# KiCad board EOutside.kicad_pcb (continued)
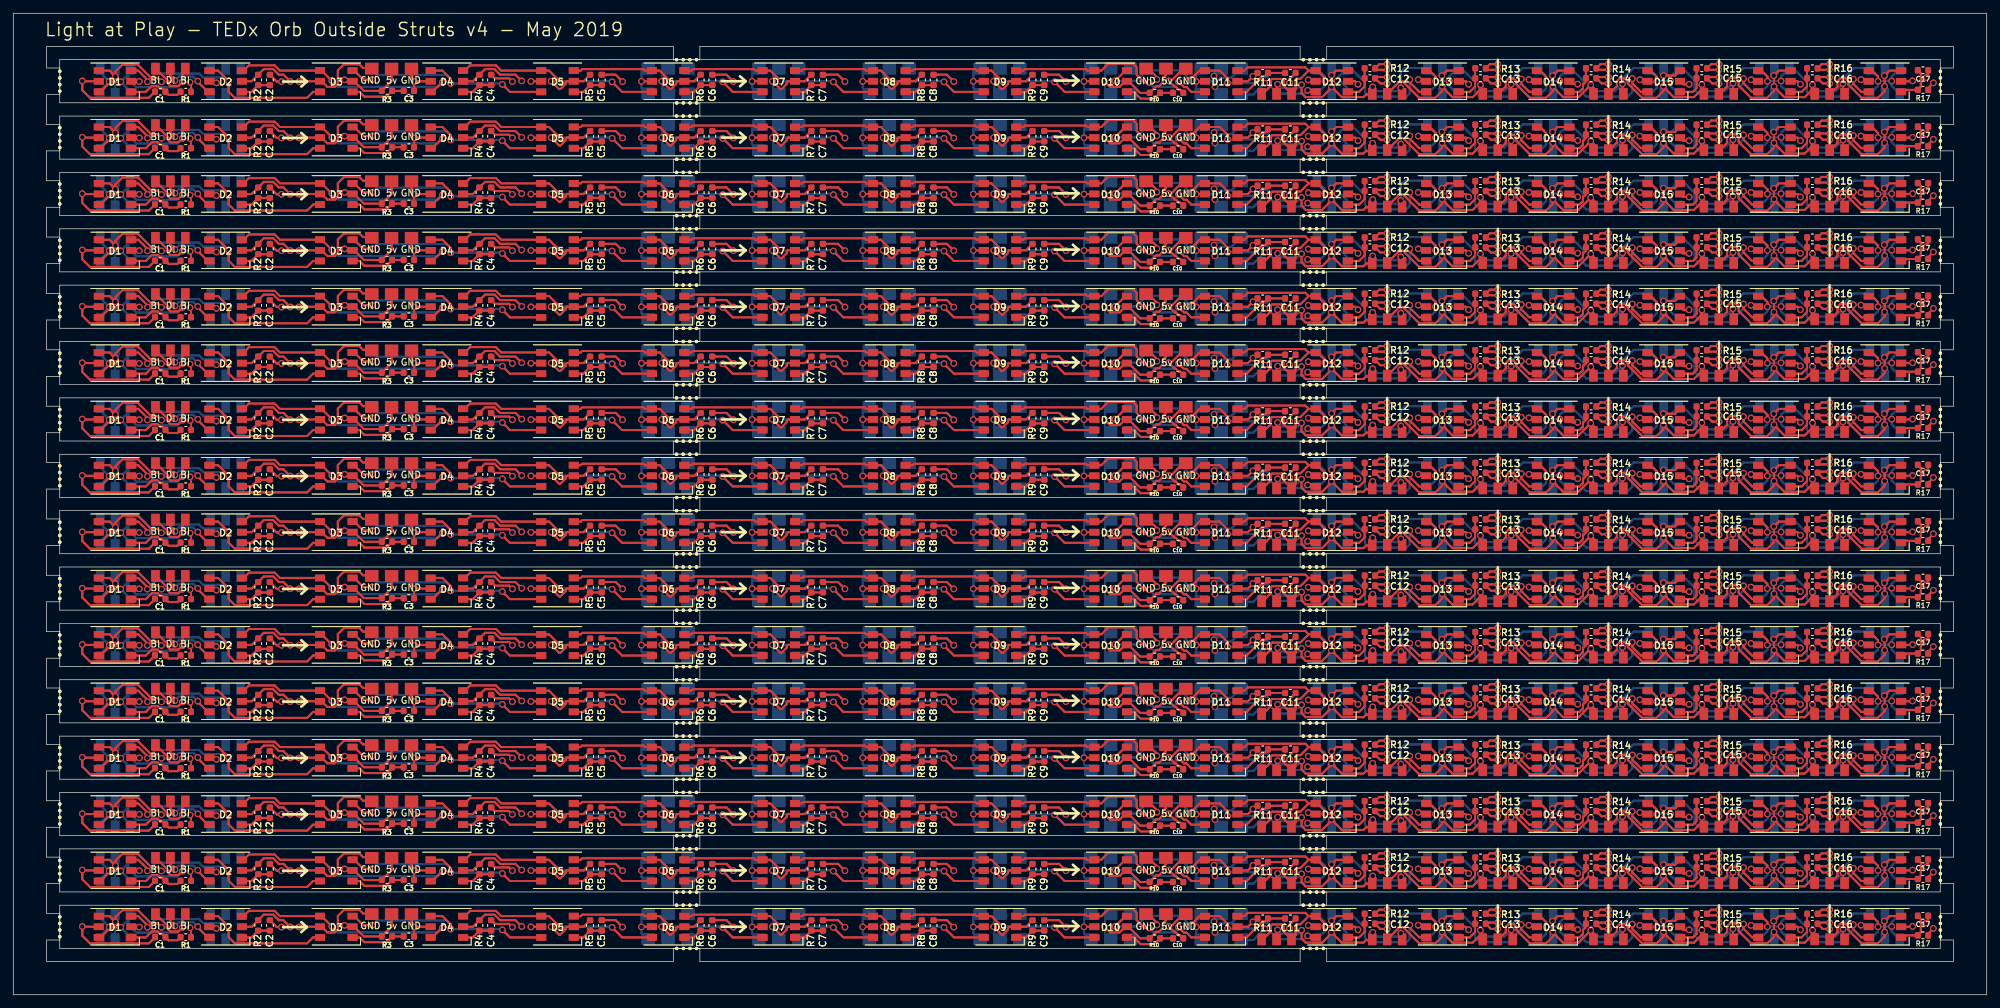
[diagram p0: board, top side]
## Routing (per net, layer and track width the routed paths; a pad name or vN(x,y) marks a point on that pad's centre or on a via; arc(x,y) is an arc through that point) (continued)
Net-(D2-Pad3): length 1106.3
  Top w0.3: 34.7,130.85 D2#2.3 34.7,130.85 ; 34.7,130.85 35.5,131.65 ; 34.7,130.85 35.5,131.65 ; 35.5,131.65 39.37,131.65 ; 35.5,131.65 39.37,131.65 ; 40.17,130.85 39.37,131.65 ; 40.17,130.85 D3#2.4 ; 40.17,130.85 39.37,131.65 ; 40.17,130.85 D3#2.4 ; D3#2.4 46.45,130.85 ; D3#2.4 46.45,130.85 ; 46.45,130.85 v1(48,129.3) 46.45,130.85 ; 63.13,127.65 64.59,129.11 ; 63.13,127.65 D4#2.6 63.13,127.65 ; 63.13,127.65 64.59,129.11 ; 64.59,129.11 v1(64.67,129.11) 64.59,129.11 ; 34.7,122.35 D2#3.3 34.7,122.35 ; 34.7,122.35 35.5,123.15 ; 34.7,122.35 35.5,123.15 ; 35.5,123.15 39.37,123.15 ; 35.5,123.15 39.37,123.15 ; 40.17,122.35 39.37,123.15 ; 40.17,122.35 D3#3.4 ; 40.17,122.35 39.37,123.15 ; 40.17,122.35 D3#3.4 ; D3#3.4 46.45,122.35 ; D3#3.4 46.45,122.35 ; 46.45,122.35 v1(48,120.8) 46.45,122.35 ; 63.13,119.15 64.59,120.61 ; 63.13,119.15 D4#3.6 63.13,119.15 ; 63.13,119.15 64.59,120.61 ; 64.59,120.61 v1(64.67,120.61) 64.59,120.61 ; 34.7,113.85 D2#4.3 34.7,113.85 ; 34.7,113.85 35.5,114.65 ; 34.7,113.85 35.5,114.65 ; 35.5,114.65 39.37,114.65 ; 35.5,114.65 39.37,114.65 ; 40.17,113.85 39.37,114.65 ; 40.17,113.85 D3#4.4 ; 40.17,113.85 39.37,114.65 ; 40.17,113.85 D3#4.4 ; D3#4.4 46.45,113.85 ; D3#4.4 46.45,113.85 ; 63.13,110.65 D4#4.6 63.13,110.65 ; 63.13,110.65 64.59,112.11 ; 63.13,110.65 64.59,112.11 ; 64.59,112.11 v1(64.67,112.11) 64.59,112.11 ; 46.45,113.85 v1(48,112.3) 46.45,113.85 ; 34.7,139.35 D2.3 34.7,139.35 ; 34.7,139.35 35.5,140.15 ; 34.7,139.35 35.5,140.15 ; 35.5,140.15 39.37,140.15 ; 35.5,140.15 39.37,140.15 ; 40.17,139.35 39.37,140.15 ; 40.17,139.35 D3.4 ; 40.17,139.35 39.37,140.15 ; 40.17,139.35 D3.4 ; D3.4 46.45,139.35 ; D3.4 46.45,139.35 ; 46.45,139.35 v1(48,137.8) 46.45,139.35 ; 63.13,136.15 64.59,137.61 ; 63.13,136.15 D4.6 63.13,136.15 ; 63.13,136.15 64.59,137.61 ; 64.59,137.61 v1(64.67,137.61) 64.59,137.61 ; 34.7,105.35 D2#12.3 34.7,105.35 ; 34.7,105.35 35.5,106.15 ; 34.7,105.35 35.5,106.15 ; 35.5,106.15 39.37,106.15 ; 35.5,106.15 39.37,106.15 ; 40.17,105.35 39.37,106.15 ; 40.17,105.35 D3#11.4 ; 40.17,105.35 39.37,106.15 ; 40.17,105.35 D3#11.4 ; D3#11.4 46.45,105.35 ; D3#11.4 46.45,105.35 ; 46.45,105.35 v1(48,103.8) 46.45,105.35 ; 63.13,102.15 64.59,103.61 ; 63.13,102.15 D4#10.6 63.13,102.15 ; 63.13,102.15 64.59,103.61 ; 64.59,103.61 v1(64.67,103.61) 64.59,103.61 ; 34.7,96.85 D2#14.3 34.7,96.85 ; 34.7,96.85 35.5,97.65 ; 34.7,96.85 35.5,97.65 ; 35.5,97.65 39.37,97.65 ; 35.5,97.65 39.37,97.65 ; 40.17,96.85 39.37,97.65 ; 40.17,96.85 D3#13.4 ; 40.17,96.85 39.37,97.65 ; 40.17,96.85 D3#13.4 ; D3#13.4 46.45,96.85 ; D3#13.4 46.45,96.85 ; 63.13,93.65 D4#11.6 63.13,93.65 ; 63.13,93.65 64.59,95.11 ; 63.13,93.65 64.59,95.11 ; 64.59,95.11 v1(64.67,95.11) 64.59,95.11 ; 46.45,96.85 v1(48,95.3) 46.45,96.85 ; 34.7,79.85 D2#11.3 34.7,79.85 ; 34.7,79.85 35.5,80.65 ; 34.7,79.85 35.5,80.65 ; 35.5,80.65 39.37,80.65 ; 35.5,80.65 39.37,80.65 ; 40.17,79.85 39.37,80.65 ; 40.17,79.85 D3#10.4 ; 40.17,79.85 39.37,80.65 ; 40.17,79.85 D3#10.4 ; D3#10.4 46.45,79.85 ; D3#10.4 46.45,79.85 ; 63.13,76.65 D4#14.6 63.13,76.65 ; 63.13,76.65 64.59,78.11 ; 63.13,76.65 64.59,78.11 ; 64.59,78.11 v1(64.67,78.11) 64.59,78.11 ; 46.45,79.85 v1(48,78.3) 46.45,79.85 ; 34.7,88.35 D2#9.3 34.7,88.35 ; 34.7,88.35 35.5,89.15 ; 34.7,88.35 35.5,89.15 ; 35.5,89.15 39.37,89.15 ; 35.5,89.15 39.37,89.15 ; 40.17,88.35 39.37,89.15 ; 40.17,88.35 D3#9.4 ; 40.17,88.35 39.37,89.15 ; 40.17,88.35 D3#9.4 ; D3#9.4 46.45,88.35 ; D3#9.4 46.45,88.35 ; 46.45,88.35 v1(48,86.8) 46.45,88.35 ; 63.13,85.15 64.59,86.61 ; 63.13,85.15 D4#9.6 63.13,85.15 ; 63.13,85.15 64.59,86.61 ; 64.59,86.61 v1(64.67,86.61) 64.59,86.61 ; 34.7,71.35 D2#19.3 34.7,71.35 ; 34.7,71.35 35.5,72.15 ; 34.7,71.35 35.5,72.15 ; 35.5,72.15 39.37,72.15 ; 35.5,72.15 39.37,72.15 ; 40.17,71.35 39.37,72.15 ; 40.17,71.35 D3#18.4 ; 40.17,71.35 39.37,72.15 ; 40.17,71.35 D3#18.4 ; D3#18.4 46.45,71.35 ; D3#18.4 46.45,71.35 ; 46.45,71.35 v1(48,69.8) 46.45,71.35 ; 63.13,68.15 64.59,69.61 ; 63.13,68.15 D4#19.6 63.13,68.15 ; 63.13,68.15 64.59,69.61 ; 64.59,69.61 v1(64.67,69.61) 64.59,69.61 ; 34.7,62.85 D2#20.3 34.7,62.85 ; 34.7,62.85 35.5,63.65 ; 34.7,62.85 35.5,63.65 ; 35.5,63.65 39.37,63.65 ; 35.5,63.65 39.37,63.65 ; 40.17,62.85 39.37,63.65 ; 40.17,62.85 D3#19.4 ; 40.17,62.85 39.37,63.65 ; 40.17,62.85 D3#19.4 ; D3#19.4 46.45,62.85 ; D3#19.4 46.45,62.85 ; 63.13,59.65 D4#17.6 63.13,59.65 ; 63.13,59.65 64.59,61.11 ; 63.13,59.65 64.59,61.11 ; 64.59,61.11 v1(64.67,61.11) 64.59,61.11 ; 46.45,62.85 v1(48,61.3) 46.45,62.85 ; 34.7,45.85 D2#18.3 34.7,45.85 ; 34.7,45.85 35.5,46.65 ; 34.7,45.85 35.5,46.65 ; 35.5,46.65 39.37,46.65 ; 35.5,46.65 39.37,46.65 ; 40.17,45.85 39.37,46.65 ; 40.17,45.85 D3#17.4 ; 40.17,45.85 39.37,46.65 ; 40.17,45.85 D3#17.4 ; D3#17.4 46.45,45.85 ; D3#17.4 46.45,45.85 ; 63.13,42.65 D4#21.6 63.13,42.65 ; 63.13,42.65 64.59,44.11 ; 63.13,42.65 64.59,44.11 ; 64.59,44.11 v1(64.67,44.11) 64.59,44.11 ; 46.45,45.85 v1(48,44.3) 46.45,45.85 ; 34.7,54.35 D2#17.3 34.7,54.35 ; 34.7,54.35 35.5,55.15 ; 34.7,54.35 35.5,55.15 ; 35.5,55.15 39.37,55.15 ; 35.5,55.15 39.37,55.15 ; 40.17,54.35 39.37,55.15 ; 40.17,54.35 D3#23.4 ; 40.17,54.35 39.37,55.15 ; 40.17,54.35 D3#23.4 ; D3#23.4 46.45,54.35 ; D3#23.4 46.45,54.35 ; 46.45,54.35 v1(48,52.8) 46.45,54.35 ; 63.13,51.15 64.59,52.61 ; 63.13,51.15 D4#18.6 63.13,51.15 ; 63.13,51.15 64.59,52.61 ; 64.59,52.61 v1(64.67,52.61) 64.59,52.61 ; 34.7,28.85 D2#25.3 34.7,28.85 ; 34.7,28.85 35.5,29.65 ; 34.7,28.85 35.5,29.65 ; 35.5,29.65 39.37,29.65 ; 35.5,29.65 39.37,29.65 ; 40.17,28.85 39.37,29.65 ; 40.17,28.85 D3#25.4 ; 40.17,28.85 39.37,29.65 ; 40.17,28.85 D3#25.4 ; D3#25.4 46.45,28.85 ; D3#25.4 46.45,28.85 ; 63.13,25.65 D4#25.6 63.13,25.65 ; 63.13,25.65 64.59,27.11 ; 63.13,25.65 64.59,27.11 ; 64.59,27.11 v1(64.67,27.11) 64.59,27.11 ; 46.45,28.85 v1(48,27.3) 46.45,28.85 ; D3#27.4 40.17,37.35 ; D3#27.4 46.45,37.35 ; D3#27.4 40.17,37.35 ; D3#27.4 46.45,37.35 ; 40.17,37.35 39.37,38.15 ; 40.17,37.35 39.37,38.15 ; 46.45,37.35 v1(48,35.8) 46.45,37.35 ; 63.13,34.15 64.59,35.61 ; 63.13,34.15 D4#26.6 63.13,34.15 ; 63.13,34.15 64.59,35.61 ; 64.59,35.61 v1(64.67,35.61) 64.59,35.61 ; 34.7,37.35 D2#30.3 34.7,37.35 ; 34.7,37.35 35.5,38.15 ; 34.7,37.35 35.5,38.15 ; 35.5,38.15 39.37,38.15 ; 35.5,38.15 39.37,38.15 ; 34.7,20.35 D2#28.3 34.7,20.35 ; 34.7,20.35 35.5,21.15 ; 34.7,20.35 35.5,21.15 ; 35.5,21.15 39.37,21.15 ; 35.5,21.15 39.37,21.15 ; 40.17,20.35 39.37,21.15 ; 40.17,20.35 D3#26.4 ; 40.17,20.35 39.37,21.15 ; 40.17,20.35 D3#26.4 ; D3#26.4 46.45,20.35 ; D3#26.4 46.45,20.35 ; 46.45,20.35 v1(48,18.8) 46.45,20.35 ; 63.13,17.15 64.59,18.61 ; 63.13,17.15 D4#30.6 63.13,17.15 ; 63.13,17.15 64.59,18.61 ; 64.59,18.61 v1(64.67,18.61) 64.59,18.61 ; 63.13,8.65 D4#29.6 63.13,8.65 ; 63.13,8.65 64.59,10.11 ; 63.13,8.65 64.59,10.11 ; 64.59,10.11 v1(64.67,10.11) 64.59,10.11 ; D3#28.4 46.45,11.85 ; D3#28.4 40.17,11.85 ; D3#28.4 40.17,11.85 ; D3#28.4 46.45,11.85 ; 46.45,11.85 v1(48,10.3) 46.45,11.85 ; 34.7,11.85 D2#26.3 34.7,11.85 ; 34.7,11.85 35.5,12.65 ; 34.7,11.85 35.5,12.65 ; 35.5,12.65 39.37,12.65 ; 35.5,12.65 39.37,12.65 ; 40.17,11.85 39.37,12.65 ; 40.17,11.85 39.37,12.65
  Bottom w0.3: 48.9,128.4 63.96,128.4 ; 48.9,128.4 v1(48,129.3) 48.9,128.4 ; 48.9,128.4 63.96,128.4 ; 63.96,128.4 64.17,128.61 ; 63.96,128.4 64.17,128.61 ; 64.17,128.61 v1(64.67,129.11) 64.17,128.61 ; 48.9,119.9 63.96,119.9 ; 48.9,119.9 v1(48,120.8) 48.9,119.9 ; 48.9,119.9 63.96,119.9 ; 63.96,119.9 64.17,120.11 ; 63.96,119.9 64.17,120.11 ; 64.17,120.11 v1(64.67,120.61) 64.17,120.11 ; 64.17,111.61 v1(64.67,112.11) 64.17,111.61 ; 64.17,111.61 63.96,111.4 ; 64.17,111.61 63.96,111.4 ; 63.96,111.4 48.9,111.4 ; 63.96,111.4 48.9,111.4 ; 48.9,111.4 v1(48,112.3) 48.9,111.4 ; 48.9,136.9 63.96,136.9 ; 48.9,136.9 v1(48,137.8) 48.9,136.9 ; 48.9,136.9 63.96,136.9 ; 63.96,136.9 64.17,137.11 ; 63.96,136.9 64.17,137.11 ; 64.17,137.11 v1(64.67,137.61) 64.17,137.11 ; 48.9,102.9 63.96,102.9 ; 48.9,102.9 v1(48,103.8) 48.9,102.9 ; 48.9,102.9 63.96,102.9 ; 63.96,102.9 64.17,103.11 ; 63.96,102.9 64.17,103.11 ; 64.17,103.11 v1(64.67,103.61) 64.17,103.11 ; 64.17,94.61 v1(64.67,95.11) 64.17,94.61 ; 64.17,94.61 63.96,94.4 ; 64.17,94.61 63.96,94.4 ; 63.96,94.4 48.9,94.4 ; 63.96,94.4 48.9,94.4 ; 48.9,94.4 v1(48,95.3) 48.9,94.4 ; 64.17,77.61 v1(64.67,78.11) 64.17,77.61 ; 64.17,77.61 63.96,77.4 ; 64.17,77.61 63.96,77.4 ; 63.96,77.4 48.9,77.4 ; 63.96,77.4 48.9,77.4 ; 48.9,77.4 v1(48,78.3) 48.9,77.4 ; 48.9,85.9 63.96,85.9 ; 48.9,85.9 v1(48,86.8) 48.9,85.9 ; 48.9,85.9 63.96,85.9 ; 63.96,85.9 64.17,86.11 ; 63.96,85.9 64.17,86.11 ; 64.17,86.11 v1(64.67,86.61) 64.17,86.11 ; 48.9,68.9 63.96,68.9 ; 48.9,68.9 v1(48,69.8) 48.9,68.9 ; 48.9,68.9 63.96,68.9 ; 63.96,68.9 64.17,69.11 ; 63.96,68.9 64.17,69.11 ; 64.17,69.11 v1(64.67,69.61) 64.17,69.11 ; 64.17,60.61 v1(64.67,61.11) 64.17,60.61 ; 64.17,60.61 63.96,60.4 ; 64.17,60.61 63.96,60.4 ; 63.96,60.4 48.9,60.4 ; 63.96,60.4 48.9,60.4 ; 48.9,60.4 v1(48,61.3) 48.9,60.4 ; 64.17,43.61 v1(64.67,44.11) 64.17,43.61 ; 64.17,43.61 63.96,43.4 ; 64.17,43.61 63.96,43.4 ; 63.96,43.4 48.9,43.4 ; 63.96,43.4 48.9,43.4 ; 48.9,43.4 v1(48,44.3) 48.9,43.4 ; 48.9,51.9 63.96,51.9 ; 48.9,51.9 v1(48,52.8) 48.9,51.9 ; 48.9,51.9 63.96,51.9 ; 63.96,51.9 64.17,52.11 ; 63.96,51.9 64.17,52.11 ; 64.17,52.11 v1(64.67,52.61) 64.17,52.11 ; 64.17,26.61 v1(64.67,27.11) 64.17,26.61 ; 64.17,26.61 63.96,26.4 ; 64.17,26.61 63.96,26.4 ; 63.96,26.4 48.9,26.4 ; 63.96,26.4 48.9,26.4 ; 48.9,26.4 v1(48,27.3) 48.9,26.4 ; 48.9,34.9 63.96,34.9 ; 48.9,34.9 v1(48,35.8) 48.9,34.9 ; 48.9,34.9 63.96,34.9 ; 63.96,34.9 64.17,35.11 ; 63.96,34.9 64.17,35.11 ; 64.17,35.11 v1(64.67,35.61) 64.17,35.11 ; 48.9,17.9 63.96,17.9 ; 48.9,17.9 v1(48,18.8) 48.9,17.9 ; 48.9,17.9 63.96,17.9 ; 63.96,17.9 64.17,18.11 ; 63.96,17.9 64.17,18.11 ; 64.17,18.11 v1(64.67,18.61) 64.17,18.11 ; 64.17,9.61 v1(64.67,10.11) 64.17,9.61 ; 64.17,9.61 63.96,9.4 ; 64.17,9.61 63.96,9.4 ; 63.96,9.4 48.9,9.4 ; 63.96,9.4 48.9,9.4 ; 48.9,9.4 v1(48,10.3) 48.9,9.4
Net-(D3-Pad3): length 1120
  Top w0.3: 53.38,129.49 v1(54.09,129.49) 53.38,129.49 ; 53.38,129.49 52.73,129.49 ; 53.38,129.49 52.73,129.49 ; 51.37,130.85 52.73,129.49 ; 51.37,130.85 D3#2.3 51.37,130.85 ; 51.37,130.85 52.73,129.49 ; 64.66,130.85 D4#2.4 64.66,130.85 ; 64.66,130.85 65.9,129.61 ; 64.66,130.85 65.9,129.61 ; 65.9,129.61 v1(65.9,128.9) 65.9,129.61 ; 74.19,128.29 v1(73.69,128.79) 74.19,128.29 ; 74.19,128.29 74.82,127.65 ; 74.19,128.29 74.82,127.65 ; 74.82,127.65 D5#2.6 74.82,127.65 ; 53.38,120.99 v1(54.09,120.99) 53.38,120.99 ; 53.38,120.99 52.73,120.99 ; 53.38,120.99 52.73,120.99 ; 51.37,122.35 52.73,120.99 ; 51.37,122.35 D3#3.3 51.37,122.35 ; 51.37,122.35 52.73,120.99 ; 64.66,122.35 D4#3.4 64.66,122.35 ; 64.66,122.35 65.9,121.11 ; 64.66,122.35 65.9,121.11 ; 65.9,121.11 v1(65.9,120.4) 65.9,121.11 ; 74.19,119.79 v1(73.69,120.29) 74.19,119.79 ; 74.19,119.79 74.82,119.15 ; 74.19,119.79 74.82,119.15 ; 74.82,119.15 D5#3.6 74.82,119.15 ; 74.82,110.65 D5#4.6 74.82,110.65 ; 74.82,110.65 74.19,111.29 ; 74.82,110.65 74.19,111.29 ; 74.19,111.29 v1(73.69,111.79) 74.19,111.29 ; 65.9,112.61 v1(65.9,111.9) 65.9,112.61 ; 65.9,112.61 64.66,113.85 ; 65.9,112.61 64.66,113.85 ; 64.66,113.85 D4#4.4 64.66,113.85 ; 51.37,113.85 D3#4.3 51.37,113.85 ; 51.37,113.85 52.73,112.49 ; 51.37,113.85 52.73,112.49 ; 52.73,112.49 53.38,112.49 ; 52.73,112.49 53.38,112.49 ; 53.38,112.49 v1(54.09,112.49) 53.38,112.49 ; 53.38,137.99 v1(54.09,137.99) 53.38,137.99 ; 53.38,137.99 52.73,137.99 ; 53.38,137.99 52.73,137.99 ; 51.37,139.35 52.73,137.99 ; 51.37,139.35 D3.3 51.37,139.35 ; 51.37,139.35 52.73,137.99 ; 64.66,139.35 D4.4 64.66,139.35 ; 64.66,139.35 65.9,138.11 ; 64.66,139.35 65.9,138.11 ; 65.9,138.11 v1(65.9,137.4) 65.9,138.11 ; 74.19,136.79 v1(73.69,137.29) 74.19,136.79 ; 74.19,136.79 74.82,136.15 ; 74.19,136.79 74.82,136.15 ; 74.82,136.15 D5.6 74.82,136.15 ; 53.38,103.99 v1(54.09,103.99) 53.38,103.99 ; 53.38,103.99 52.73,103.99 ; 53.38,103.99 52.73,103.99 ; 51.37,105.35 52.73,103.99 ; 51.37,105.35 D3#11.3 51.37,105.35 ; 51.37,105.35 52.73,103.99 ; 64.66,105.35 D4#10.4 64.66,105.35 ; 64.66,105.35 65.9,104.11 ; 64.66,105.35 65.9,104.11 ; 65.9,104.11 v1(65.9,103.4) 65.9,104.11 ; 74.19,102.79 v1(73.69,103.29) 74.19,102.79 ; 74.19,102.79 74.82,102.15 ; 74.19,102.79 74.82,102.15 ; 74.82,102.15 D5#11.6 74.82,102.15 ; 74.82,93.65 D5#15.6 74.82,93.65 ; 74.82,93.65 74.19,94.29 ; 74.82,93.65 74.19,94.29 ; 74.19,94.29 v1(73.69,94.79) 74.19,94.29 ; 65.9,95.61 v1(65.9,94.9) 65.9,95.61 ; 65.9,95.61 64.66,96.85 ; 65.9,95.61 64.66,96.85 ; 64.66,96.85 D4#11.4 64.66,96.85 ; 51.37,96.85 D3#13.3 51.37,96.85 ; 51.37,96.85 52.73,95.49 ; 51.37,96.85 52.73,95.49 ; 52.73,95.49 53.38,95.49 ; 52.73,95.49 53.38,95.49 ; 53.38,95.49 v1(54.09,95.49) 53.38,95.49 ; 74.82,76.65 D5#9.6 74.82,76.65 ; 74.82,76.65 74.19,77.29 ; 74.82,76.65 74.19,77.29 ; 74.19,77.29 v1(73.69,77.79) 74.19,77.29 ; 65.9,78.61 v1(65.9,77.9) 65.9,78.61 ; 65.9,78.61 64.66,79.85 ; 65.9,78.61 64.66,79.85 ; 64.66,79.85 D4#14.4 64.66,79.85 ; 51.37,79.85 D3#10.3 51.37,79.85 ; 51.37,79.85 52.73,78.49 ; 51.37,79.85 52.73,78.49 ; 52.73,78.49 53.38,78.49 ; 52.73,78.49 53.38,78.49 ; 53.38,78.49 v1(54.09,78.49) 53.38,78.49 ; 53.38,86.99 v1(54.09,86.99) 53.38,86.99 ; 53.38,86.99 52.73,86.99 ; 53.38,86.99 52.73,86.99 ; 51.37,88.35 52.73,86.99 ; 51.37,88.35 D3#9.3 51.37,88.35 ; 51.37,88.35 52.73,86.99 ; 64.66,88.35 D4#9.4 64.66,88.35 ; 64.66,88.35 65.9,87.11 ; 64.66,88.35 65.9,87.11 ; 65.9,87.11 v1(65.9,86.4) 65.9,87.11 ; 74.19,85.79 v1(73.69,86.29) 74.19,85.79 ; 74.19,85.79 74.82,85.15 ; 74.19,85.79 74.82,85.15 ; 74.82,85.15 D5#10.6 74.82,85.15 ; 53.38,69.99 v1(54.09,69.99) 53.38,69.99 ; 53.38,69.99 52.73,69.99 ; 53.38,69.99 52.73,69.99 ; 51.37,71.35 52.73,69.99 ; 51.37,71.35 D3#18.3 51.37,71.35 ; 51.37,71.35 52.73,69.99 ; 64.66,71.35 D4#19.4 64.66,71.35 ; 64.66,71.35 65.9,70.11 ; 64.66,71.35 65.9,70.11 ; 65.9,70.11 v1(65.9,69.4) 65.9,70.11 ; 74.19,68.79 v1(73.69,69.29) 74.19,68.79 ; 74.19,68.79 74.82,68.15 ; 74.19,68.79 74.82,68.15 ; 74.82,68.15 D5#19.6 74.82,68.15 ; 74.82,59.65 D5#22.6 74.82,59.65 ; 74.82,59.65 74.19,60.29 ; 74.82,59.65 74.19,60.29 ; 74.19,60.29 v1(73.69,60.79) 74.19,60.29 ; 65.9,61.61 v1(65.9,60.9) 65.9,61.61 ; 65.9,61.61 64.66,62.85 ; 65.9,61.61 64.66,62.85 ; 64.66,62.85 D4#17.4 64.66,62.85 ; 51.37,62.85 D3#19.3 51.37,62.85 ; 51.37,62.85 52.73,61.49 ; 51.37,62.85 52.73,61.49 ; 52.73,61.49 53.38,61.49 ; 52.73,61.49 53.38,61.49 ; 53.38,61.49 v1(54.09,61.49) 53.38,61.49 ; 74.82,42.65 D5#17.6 74.82,42.65 ; 74.82,42.65 74.19,43.29 ; 74.82,42.65 74.19,43.29 ; 74.19,43.29 v1(73.69,43.79) 74.19,43.29 ; 65.9,44.61 v1(65.9,43.9) 65.9,44.61 ; 65.9,44.61 64.66,45.85 ; 65.9,44.61 64.66,45.85 ; 64.66,45.85 D4#21.4 64.66,45.85 ; 51.37,45.85 D3#17.3 51.37,45.85 ; 51.37,45.85 52.73,44.49 ; 51.37,45.85 52.73,44.49 ; 52.73,44.49 53.38,44.49 ; 52.73,44.49 53.38,44.49 ; 53.38,44.49 v1(54.09,44.49) 53.38,44.49 ; 53.38,52.99 v1(54.09,52.99) 53.38,52.99 ; 53.38,52.99 52.73,52.99 ; 53.38,52.99 52.73,52.99 ; 51.37,54.35 52.73,52.99 ; 51.37,54.35 D3#23.3 51.37,54.35 ; 51.37,54.35 52.73,52.99 ; 64.66,54.35 D4#18.4 64.66,54.35 ; 64.66,54.35 65.9,53.11 ; 64.66,54.35 65.9,53.11 ; 65.9,53.11 v1(65.9,52.4) 65.9,53.11 ; 74.19,51.79 v1(73.69,52.29) 74.19,51.79 ; 74.19,51.79 74.82,51.15 ; 74.19,51.79 74.82,51.15 ; 74.82,51.15 D5#18.6 74.82,51.15 ; 74.82,25.65 D5#26.6 74.82,25.65 ; 74.82,25.65 74.19,26.29 ; 74.82,25.65 74.19,26.29 ; 74.19,26.29 v1(73.69,26.79) 74.19,26.29 ; 65.9,27.61 v1(65.9,26.9) 65.9,27.61 ; 65.9,27.61 64.66,28.85 ; 65.9,27.61 64.66,28.85 ; 64.66,28.85 D4#25.4 64.66,28.85 ; 51.37,28.85 D3#25.3 51.37,28.85 ; 51.37,28.85 52.73,27.49 ; 51.37,28.85 52.73,27.49 ; 52.73,27.49 53.38,27.49 ; 52.73,27.49 53.38,27.49 ; 53.38,27.49 v1(54.09,27.49) 53.38,27.49 ; 53.38,35.99 v1(54.09,35.99) 53.38,35.99 ; 53.38,35.99 52.73,35.99 ; 53.38,35.99 52.73,35.99 ; 51.37,37.35 52.73,35.99 ; 51.37,37.35 D3#27.3 51.37,37.35 ; 51.37,37.35 52.73,35.99 ; 64.66,37.35 D4#26.4 64.66,37.35 ; 64.66,37.35 65.9,36.11 ; 64.66,37.35 65.9,36.11 ; 65.9,36.11 v1(65.9,35.4) 65.9,36.11 ; 74.19,34.79 v1(73.69,35.29) 74.19,34.79 ; 74.19,34.79 74.82,34.15 ; 74.19,34.79 74.82,34.15 ; 74.82,34.15 D5#29.6 74.82,34.15 ; 53.38,18.99 v1(54.09,18.99) 53.38,18.99 ; 53.38,18.99 52.73,18.99 ; 53.38,18.99 52.73,18.99 ; 51.37,20.35 52.73,18.99 ; 51.37,20.35 D3#26.3 51.37,20.35 ; 51.37,20.35 52.73,18.99 ; 64.66,20.35 D4#30.4 64.66,20.35 ; 64.66,20.35 65.9,19.11 ; 64.66,20.35 65.9,19.11 ; 65.9,19.11 v1(65.9,18.4) 65.9,19.11 ; 74.19,17.79 v1(73.69,18.29) 74.19,17.79 ; 74.19,17.79 74.82,17.15 ; 74.19,17.79 74.82,17.15 ; 74.82,17.15 D5#25.6 74.82,17.15 ; 74.82,8.65 D5#27.6 74.82,8.65 ; 74.82,8.65 74.19,9.29 ; 74.82,8.65 74.19,9.29 ; 74.19,9.29 v1(73.69,9.79) 74.19,9.29 ; 65.9,10.61 v1(65.9,9.9) 65.9,10.61 ; 65.9,10.61 64.66,11.85 ; 65.9,10.61 64.66,11.85 ; 64.66,11.85 D4#29.4 64.66,11.85 ; 51.37,11.85 D3#28.3 51.37,11.85 ; 51.37,11.85 52.73,10.49 ; 51.37,11.85 52.73,10.49 ; 52.73,10.49 53.38,10.49 ; 52.73,10.49 53.38,10.49 ; 53.38,10.49 v1(54.09,10.49) 53.38,10.49
  Bottom w0.3: 54.8,130.2 65.31,130.2 ; 54.8,130.2 v1(54.09,129.49) 54.8,130.2 ; 54.8,130.2 65.31,130.2 ; 65.31,130.2 65.9,129.61 ; 65.31,130.2 65.9,129.61 ; 65.9,129.61 v1(65.9,128.9) ; 65.9,129.61 v1(65.9,128.9) ; v1(65.9,128.9) 73.57,128.9 ; v1(65.9,128.9) 73.57,128.9 ; 73.57,128.9 v1(73.69,128.79) 73.57,128.9 ; 54.8,121.7 65.31,121.7 ; 54.8,121.7 v1(54.09,120.99) 54.8,121.7 ; 54.8,121.7 65.31,121.7 ; 65.31,121.7 65.9,121.11 ; 65.31,121.7 65.9,121.11 ; 65.9,121.11 v1(65.9,120.4) ; 65.9,121.11 v1(65.9,120.4) ; v1(65.9,120.4) 73.57,120.4 ; v1(65.9,120.4) 73.57,120.4 ; 73.57,120.4 v1(73.69,120.29) 73.57,120.4 ; v1(65.9,111.9) 73.57,111.9 ; v1(65.9,111.9) 65.9,112.61 ; v1(65.9,111.9) 73.57,111.9 ; v1(65.9,111.9) 65.9,112.61 ; 73.57,111.9 v1(73.69,111.79) 73.57,111.9 ; 65.31,113.2 65.9,112.61 ; 65.31,113.2 54.8,113.2 ; 65.31,113.2 65.9,112.61 ; 65.31,113.2 54.8,113.2 ; 54.8,113.2 v1(54.09,112.49) 54.8,113.2 ; 54.8,138.7 65.31,138.7 ; 54.8,138.7 v1(54.09,137.99) 54.8,138.7 ; 54.8,138.7 65.31,138.7 ; 65.31,138.7 65.9,138.11 ; 65.31,138.7 65.9,138.11 ; 65.9,138.11 v1(65.9,137.4) ; 65.9,138.11 v1(65.9,137.4) ; v1(65.9,137.4) 73.57,137.4 ; v1(65.9,137.4) 73.57,137.4 ; 73.57,137.4 v1(73.69,137.29) 73.57,137.4 ; 54.8,104.7 65.31,104.7 ; 54.8,104.7 v1(54.09,103.99) 54.8,104.7 ; 54.8,104.7 65.31,104.7 ; 65.31,104.7 65.9,104.11 ; 65.31,104.7 65.9,104.11 ; 65.9,104.11 v1(65.9,103.4) ; 65.9,104.11 v1(65.9,103.4) ; v1(65.9,103.4) 73.57,103.4 ; v1(65.9,103.4) 73.57,103.4 ; 73.57,103.4 v1(73.69,103.29) 73.57,103.4 ; v1(65.9,94.9) 73.57,94.9 ; v1(65.9,94.9) 65.9,95.61 ; v1(65.9,94.9) 73.57,94.9 ; v1(65.9,94.9) 65.9,95.61 ; 73.57,94.9 v1(73.69,94.79) 73.57,94.9 ; 65.31,96.2 65.9,95.61 ; 65.31,96.2 54.8,96.2 ; 65.31,96.2 65.9,95.61 ; 65.31,96.2 54.8,96.2 ; 54.8,96.2 v1(54.09,95.49) 54.8,96.2 ; v1(65.9,77.9) 73.57,77.9 ; v1(65.9,77.9) 65.9,78.61 ; v1(65.9,77.9) 73.57,77.9 ; v1(65.9,77.9) 65.9,78.61 ; 73.57,77.9 v1(73.69,77.79) 73.57,77.9 ; 65.31,79.2 65.9,78.61 ; 65.31,79.2 54.8,79.2 ; 65.31,79.2 65.9,78.61 ; 65.31,79.2 54.8,79.2 ; 54.8,79.2 v1(54.09,78.49) 54.8,79.2 ; 54.8,87.7 65.31,87.7 ; 54.8,87.7 v1(54.09,86.99) 54.8,87.7 ; 54.8,87.7 65.31,87.7 ; 65.31,87.7 65.9,87.11 ; 65.31,87.7 65.9,87.11 ; 65.9,87.11 v1(65.9,86.4) ; 65.9,87.11 v1(65.9,86.4) ; v1(65.9,86.4) 73.57,86.4 ; v1(65.9,86.4) 73.57,86.4 ; 73.57,86.4 v1(73.69,86.29) 73.57,86.4 ; 54.8,70.7 65.31,70.7 ; 54.8,70.7 v1(54.09,69.99) 54.8,70.7 ; 54.8,70.7 65.31,70.7 ; 65.31,70.7 65.9,70.11 ; 65.31,70.7 65.9,70.11 ; 65.9,70.11 v1(65.9,69.4) ; 65.9,70.11 v1(65.9,69.4) ; v1(65.9,69.4) 73.57,69.4 ; v1(65.9,69.4) 73.57,69.4 ; 73.57,69.4 v1(73.69,69.29) 73.57,69.4 ; v1(65.9,60.9) 73.57,60.9 ; v1(65.9,60.9) 65.9,61.61 ; v1(65.9,60.9) 73.57,60.9 ; v1(65.9,60.9) 65.9,61.61 ; 73.57,60.9 v1(73.69,60.79) 73.57,60.9 ; 65.31,62.2 65.9,61.61 ; 65.31,62.2 54.8,62.2 ; 65.31,62.2 65.9,61.61 ; 65.31,62.2 54.8,62.2 ; 54.8,62.2 v1(54.09,61.49) 54.8,62.2 ; v1(65.9,43.9) 73.57,43.9 ; v1(65.9,43.9) 65.9,44.61 ; v1(65.9,43.9) 73.57,43.9 ; v1(65.9,43.9) 65.9,44.61 ; 73.57,43.9 v1(73.69,43.79) 73.57,43.9 ; 65.31,45.2 65.9,44.61 ; 65.31,45.2 54.8,45.2 ; 65.31,45.2 65.9,44.61 ; 65.31,45.2 54.8,45.2 ; 54.8,45.2 v1(54.09,44.49) 54.8,45.2 ; 54.8,53.7 65.31,53.7 ; 54.8,53.7 v1(54.09,52.99) 54.8,53.7 ; 54.8,53.7 65.31,53.7 ; 65.31,53.7 65.9,53.11 ; 65.31,53.7 65.9,53.11 ; 65.9,53.11 v1(65.9,52.4) ; 65.9,53.11 v1(65.9,52.4) ; v1(65.9,52.4) 73.57,52.4 ; v1(65.9,52.4) 73.57,52.4 ; 73.57,52.4 v1(73.69,52.29) 73.57,52.4 ; v1(65.9,26.9) 73.57,26.9 ; v1(65.9,26.9) 65.9,27.61 ; v1(65.9,26.9) 73.57,26.9 ; v1(65.9,26.9) 65.9,27.61 ; 73.57,26.9 v1(73.69,26.79) 73.57,26.9 ; 65.31,28.2 65.9,27.61 ; 65.31,28.2 54.8,28.2 ; 65.31,28.2 65.9,27.61 ; 65.31,28.2 54.8,28.2 ; 54.8,28.2 v1(54.09,27.49) 54.8,28.2 ; 54.8,36.7 65.31,36.7 ; 54.8,36.7 v1(54.09,35.99) 54.8,36.7 ; 54.8,36.7 65.31,36.7 ; 65.31,36.7 65.9,36.11 ; 65.31,36.7 65.9,36.11 ; 65.9,36.11 v1(65.9,35.4) ; 65.9,36.11 v1(65.9,35.4) ; v1(65.9,35.4) 73.57,35.4 ; v1(65.9,35.4) 73.57,35.4 ; 73.57,35.4 v1(73.69,35.29) 73.57,35.4 ; 54.8,19.7 65.31,19.7 ; 54.8,19.7 v1(54.09,18.99) 54.8,19.7 ; 54.8,19.7 65.31,19.7 ; 65.31,19.7 65.9,19.11 ; 65.31,19.7 65.9,19.11 ; 65.9,19.11 v1(65.9,18.4) ; 65.9,19.11 v1(65.9,18.4) ; v1(65.9,18.4) 73.57,18.4 ; v1(65.9,18.4) 73.57,18.4 ; 73.57,18.4 v1(73.69,18.29) 73.57,18.4 ; v1(65.9,9.9) 73.57,9.9 ; v1(65.9,9.9) 65.9,10.61 ; v1(65.9,9.9) 73.57,9.9 ; v1(65.9,9.9) 65.9,10.61 ; 73.57,9.9 v1(73.69,9.79) 73.57,9.9 ; 65.31,11.2 65.9,10.61 ; 65.31,11.2 54.8,11.2 ; 65.31,11.2 65.9,10.61 ; 65.31,11.2 54.8,11.2 ; 54.8,11.2 v1(54.09,10.49) 54.8,11.2
Net-(D4-Pad3): length 973.5
  Top w0.3: 90.72,137.15 v1(90.22,137.65) 90.72,137.15 ; 90.72,137.15 91.73,136.15 ; 90.72,137.15 91.73,136.15 ; 91.73,136.15 D6.6 91.73,136.15 ; 81.8,138.27 v1(82.3,137.77) 81.8,138.27 ; 81.8,138.27 80.72,139.35 ; 81.8,138.27 80.72,139.35 ; 80.72,139.35 D5.4 ; 80.72,139.35 D5.4 ; D5.4 73.51,139.35 ; D5.4 73.51,139.35 ; 90.72,128.65 v1(90.22,129.15) 90.72,128.65 ; 90.72,128.65 91.73,127.65 ; 90.72,128.65 91.73,127.65 ; 91.73,127.65 D6#2.6 91.73,127.65 ; 81.8,129.77 v1(82.3,129.27) 81.8,129.77 ; 81.8,129.77 80.72,130.85 ; 81.8,129.77 80.72,130.85 ; 80.72,130.85 D5#2.4 ; 80.72,130.85 D5#2.4 ; D5#2.4 73.51,130.85 ; D5#2.4 73.51,130.85 ; 68.83,131.65 68.03,130.85 ; 68.83,131.65 72.71,131.65 ; 68.83,131.65 72.71,131.65 ; 68.83,131.65 68.03,130.85 ; 68.03,130.85 D4#2.3 68.03,130.85 ; 73.51,130.85 72.71,131.65 ; 73.51,130.85 72.71,131.65 ; 90.72,120.15 v1(90.22,120.65) 90.72,120.15 ; 90.72,120.15 91.73,119.15 ; 90.72,120.15 91.73,119.15 ; 91.73,119.15 D6#4.6 91.73,119.15 ; 81.8,121.27 v1(82.3,120.77) 81.8,121.27 ; 81.8,121.27 80.72,122.35 ; 81.8,121.27 80.72,122.35 ; 80.72,122.35 D5#3.4 ; 80.72,122.35 D5#3.4 ; D5#3.4 73.51,122.35 ; D5#3.4 73.51,122.35 ; 68.83,123.15 68.03,122.35 ; 68.83,123.15 72.71,123.15 ; 68.83,123.15 68.03,122.35 ; 68.83,123.15 72.71,123.15 ; 68.03,122.35 D4#3.3 68.03,122.35 ; 73.51,122.35 72.71,123.15 ; 73.51,122.35 72.71,123.15 ; 72.71,114.65 68.83,114.65 ; 72.71,114.65 73.51,113.85 ; 72.71,114.65 73.51,113.85 ; 72.71,114.65 68.83,114.65 ; 68.83,114.65 68.03,113.85 ; 68.83,114.65 68.03,113.85 ; 68.03,113.85 D4#4.3 68.03,113.85 ; 73.51,113.85 D5#4.4 ; 73.51,113.85 D5#4.4 ; D5#4.4 80.72,113.85 ; D5#4.4 80.72,113.85 ; 80.72,113.85 81.8,112.77 ; 80.72,113.85 81.8,112.77 ; 81.8,112.77 v1(82.3,112.27) 81.8,112.77 ; 91.73,110.65 D6#3.6 91.73,110.65 ; 91.73,110.65 90.72,111.65 ; 91.73,110.65 90.72,111.65 ; 90.72,111.65 v1(90.22,112.15) 90.72,111.65 ; 68.83,140.15 68.03,139.35 ; 68.83,140.15 72.71,140.15 ; 68.83,140.15 72.71,140.15 ; 68.83,140.15 68.03,139.35 ; 68.03,139.35 D4.3 68.03,139.35 ; 73.51,139.35 72.71,140.15 ; 73.51,139.35 72.71,140.15 ; 90.72,103.15 v1(90.22,103.65) 90.72,103.15 ; 90.72,103.15 91.73,102.15 ; 90.72,103.15 91.73,102.15 ; 91.73,102.15 D6#14.6 91.73,102.15 ; 81.8,104.27 v1(82.3,103.77) 81.8,104.27 ; 81.8,104.27 80.72,105.35 ; 81.8,104.27 80.72,105.35 ; 80.72,105.35 D5#11.4 ; 80.72,105.35 D5#11.4 ; D5#11.4 73.51,105.35 ; D5#11.4 73.51,105.35 ; 68.83,106.15 68.03,105.35 ; 68.83,106.15 72.71,106.15 ; 68.83,106.15 68.03,105.35 ; 68.83,106.15 72.71,106.15 ; 68.03,105.35 D4#10.3 68.03,105.35 ; 73.51,105.35 72.71,106.15 ; 73.51,105.35 72.71,106.15 ; 72.71,97.65 68.83,97.65 ; 72.71,97.65 73.51,96.85 ; 72.71,97.65 73.51,96.85 ; 72.71,97.65 68.83,97.65 ; 68.83,97.65 68.03,96.85 ; 68.83,97.65 68.03,96.85 ; 68.03,96.85 D4#11.3 68.03,96.85 ; 73.51,96.85 D5#15.4 ; 73.51,96.85 D5#15.4 ; D5#15.4 80.72,96.85 ; D5#15.4 80.72,96.85 ; 80.72,96.85 81.8,95.77 ; 80.72,96.85 81.8,95.77 ; 81.8,95.77 v1(82.3,95.27) 81.8,95.77 ; 91.73,93.65 D6#13.6 91.73,93.65 ; 91.73,93.65 90.72,94.65 ; 91.73,93.65 90.72,94.65 ; 90.72,94.65 v1(90.22,95.15) 90.72,94.65 ; 68.03,79.85 D4#14.3 68.03,79.85 ; 68.03,79.85 68.83,80.65 ; 68.03,79.85 68.83,80.65 ; 73.51,79.85 72.71,80.65 ; 73.51,79.85 D5#9.4 ; 73.51,79.85 72.71,80.65 ; 73.51,79.85 D5#9.4 ; 72.71,80.65 68.83,80.65 ; 72.71,80.65 68.83,80.65 ; D5#9.4 80.72,79.85 ; D5#9.4 80.72,79.85 ; 80.72,79.85 81.8,78.77 ; 80.72,79.85 81.8,78.77 ; 81.8,78.77 v1(82.3,78.27) 81.8,78.77 ; 91.73,76.65 D6#9.6 91.73,76.65 ; 91.73,76.65 90.72,77.65 ; 91.73,76.65 90.72,77.65 ; 90.72,77.65 v1(90.22,78.15) 90.72,77.65 ; 91.73,85.15 D6#10.6 91.73,85.15 ; 91.73,85.15 90.72,86.15 ; 91.73,85.15 90.72,86.15 ; 81.8,87.27 v1(82.3,86.77) 81.8,87.27 ; 81.8,87.27 80.72,88.35 ; 81.8,87.27 80.72,88.35 ; 80.72,88.35 D5#10.4 ; 80.72,88.35 D5#10.4 ; D5#10.4 73.51,88.35 ; D5#10.4 73.51,88.35 ; 68.83,89.15 68.03,88.35 ; 68.83,89.15 72.71,89.15 ; 68.83,89.15 68.03,88.35 ; 68.83,89.15 72.71,89.15 ; 68.03,88.35 D4#9.3 68.03,88.35 ; 73.51,88.35 72.71,89.15 ; 73.51,88.35 72.71,89.15 ; 90.72,86.15 v1(90.22,86.65) 90.72,86.15 ; 90.72,69.15 v1(90.22,69.65) 90.72,69.15 ; 90.72,69.15 91.73,68.15 ; 90.72,69.15 91.73,68.15 ; 91.73,68.15 D6#20.6 91.73,68.15 ; 81.8,70.27 v1(82.3,69.77) 81.8,70.27 ; 81.8,70.27 80.72,71.35 ; 81.8,70.27 80.72,71.35 ; 80.72,71.35 D5#19.4 ; 80.72,71.35 D5#19.4 ; D5#19.4 73.51,71.35 ; D5#19.4 73.51,71.35 ; 68.83,72.15 68.03,71.35 ; 68.83,72.15 72.71,72.15 ; 68.83,72.15 68.03,71.35 ; 68.83,72.15 72.71,72.15 ; 68.03,71.35 D4#19.3 68.03,71.35 ; 73.51,71.35 72.71,72.15 ; 73.51,71.35 72.71,72.15 ; 81.8,44.77 v1(82.3,44.27) 81.8,44.77 ; 81.8,44.77 80.72,45.85 ; 81.8,44.77 80.72,45.85 ; 68.03,62.85 D4#17.3 68.03,62.85 ; 68.03,62.85 68.83,63.65 ; 68.03,62.85 68.83,63.65 ; 73.51,62.85 72.71,63.65 ; 73.51,62.85 D5#22.4 ; 73.51,62.85 72.71,63.65 ; 73.51,62.85 D5#22.4 ; 72.71,63.65 68.83,63.65 ; 72.71,63.65 68.83,63.65 ; D5#22.4 80.72,62.85 ; D5#22.4 80.72,62.85 ; 80.72,62.85 81.8,61.77 ; 80.72,62.85 81.8,61.77 ; 81.8,61.77 v1(82.3,61.27) 81.8,61.77 ; 91.73,59.65 D6#19.6 91.73,59.65 ; 91.73,59.65 90.72,60.65 ; 91.73,59.65 90.72,60.65 ; 90.72,60.65 v1(90.22,61.15) 90.72,60.65 ; 68.03,45.85 D4#21.3 68.03,45.85 ; 68.03,45.85 68.83,46.65 ; 68.03,45.85 68.83,46.65 ; 73.51,45.85 72.71,46.65 ; 73.51,45.85 D5#17.4 ; 73.51,45.85 72.71,46.65 ; 73.51,45.85 D5#17.4 ; 72.71,46.65 68.83,46.65 ; 72.71,46.65 68.83,46.65 ; D5#17.4 80.72,45.85 ; D5#17.4 80.72,45.85 ; 91.73,42.65 D6#18.6 91.73,42.65 ; 91.73,42.65 90.72,43.65 ; 91.73,42.65 90.72,43.65 ; 90.72,43.65 v1(90.22,44.15) 90.72,43.65 ; 91.73,51.15 D6#17.6 91.73,51.15 ; 91.73,51.15 90.72,52.15 ; 91.73,51.15 90.72,52.15 ; 81.8,53.27 v1(82.3,52.77) 81.8,53.27 ; 81.8,53.27 80.72,54.35 ; 81.8,53.27 80.72,54.35 ; 80.72,54.35 D5#18.4 ; 80.72,54.35 D5#18.4 ; D5#18.4 73.51,54.35 ; D5#18.4 73.51,54.35 ; 68.83,55.15 68.03,54.35 ; 68.83,55.15 72.71,55.15 ; 68.83,55.15 68.03,54.35 ; 68.83,55.15 72.71,55.15 ; 68.03,54.35 D4#18.3 68.03,54.35 ; 73.51,54.35 72.71,55.15 ; 73.51,54.35 72.71,55.15 ; 90.72,52.15 v1(90.22,52.65) 90.72,52.15 ; 72.71,29.65 68.83,29.65 ; 72.71,29.65 73.51,28.85 ; 72.71,29.65 68.83,29.65 ; 72.71,29.65 73.51,28.85 ; 68.83,29.65 68.03,28.85 ; 68.83,29.65 68.03,28.85 ; 68.03,28.85 D4#25.3 68.03,28.85 ; 73.51,28.85 D5#26.4 ; 73.51,28.85 D5#26.4 ; D5#26.4 80.72,28.85 ; D5#26.4 80.72,28.85 ; 80.72,28.85 81.8,27.77 ; 80.72,28.85 81.8,27.77 ; 81.8,27.77 v1(82.3,27.27) 81.8,27.77 ; 91.73,25.65 D6#27.6 91.73,25.65 ; 91.73,25.65 90.72,26.65 ; 91.73,25.65 90.72,26.65 ; 90.72,26.65 v1(90.22,27.15) 90.72,26.65 ; 90.72,35.15 v1(90.22,35.65) 90.72,35.15 ; 90.72,35.15 91.73,34.15 ; 90.72,35.15 91.73,34.15 ; 91.73,34.15 D6#26.6 91.73,34.15 ; 81.8,36.27 v1(82.3,35.77) 81.8,36.27 ; 81.8,36.27 80.72,37.35 ; 81.8,36.27 80.72,37.35 ; 80.72,37.35 D5#29.4 ; 80.72,37.35 D5#29.4 ; D5#29.4 73.51,37.35 ; D5#29.4 73.51,37.35 ; 68.83,38.15 68.03,37.35 ; 68.83,38.15 72.71,38.15 ; 68.83,38.15 68.03,37.35 ; 68.83,38.15 72.71,38.15 ; 68.03,37.35 D4#26.3 68.03,37.35 ; 73.51,37.35 72.71,38.15 ; 73.51,37.35 72.71,38.15 ; 91.73,17.15 D6#25.6 91.73,17.15 ; 91.73,17.15 90.72,18.15 ; 91.73,17.15 90.72,18.15 ; 81.8,19.27 v1(82.3,18.77) 81.8,19.27 ; 81.8,19.27 80.72,20.35 ; 81.8,19.27 80.72,20.35 ; 80.72,20.35 D5#25.4 ; 80.72,20.35 D5#25.4 ; D5#25.4 73.51,20.35 ; D5#25.4 73.51,20.35 ; 68.83,21.15 68.03,20.35 ; 68.83,21.15 72.71,21.15 ; 68.83,21.15 68.03,20.35 ; 68.83,21.15 72.71,21.15 ; 68.03,20.35 D4#30.3 68.03,20.35 ; 73.51,20.35 72.71,21.15 ; 73.51,20.35 72.71,21.15 ; 90.72,18.15 v1(90.22,18.65) 90.72,18.15 ; 72.71,12.65 68.83,12.65 ; 72.71,12.65 73.51,11.85 ; 72.71,12.65 73.51,11.85 ; 72.71,12.65 68.83,12.65 ; 68.83,12.65 68.03,11.85 ; 68.83,12.65 68.03,11.85 ; 91.73,8.65 D6#28.6 91.73,8.65 ; 91.73,8.65 90.72,9.65 ; 91.73,8.65 90.72,9.65 ; 90.72,9.65 v1(90.22,10.15) 90.72,9.65 ; 68.03,11.85 D4#29.3 68.03,11.85 ; 73.51,11.85 D5#27.4 ; 73.51,11.85 D5#27.4 ; D5#27.4 80.72,11.85 ; D5#27.4 80.72,11.85 ; 80.72,11.85 81.8,10.77 ; 80.72,11.85 81.8,10.77 ; 81.8,10.77 v1(82.3,10.27) 81.8,10.77